# Altium PCB My_SOMA_25042022.PcbDoc (part 1 of 4) (continued)
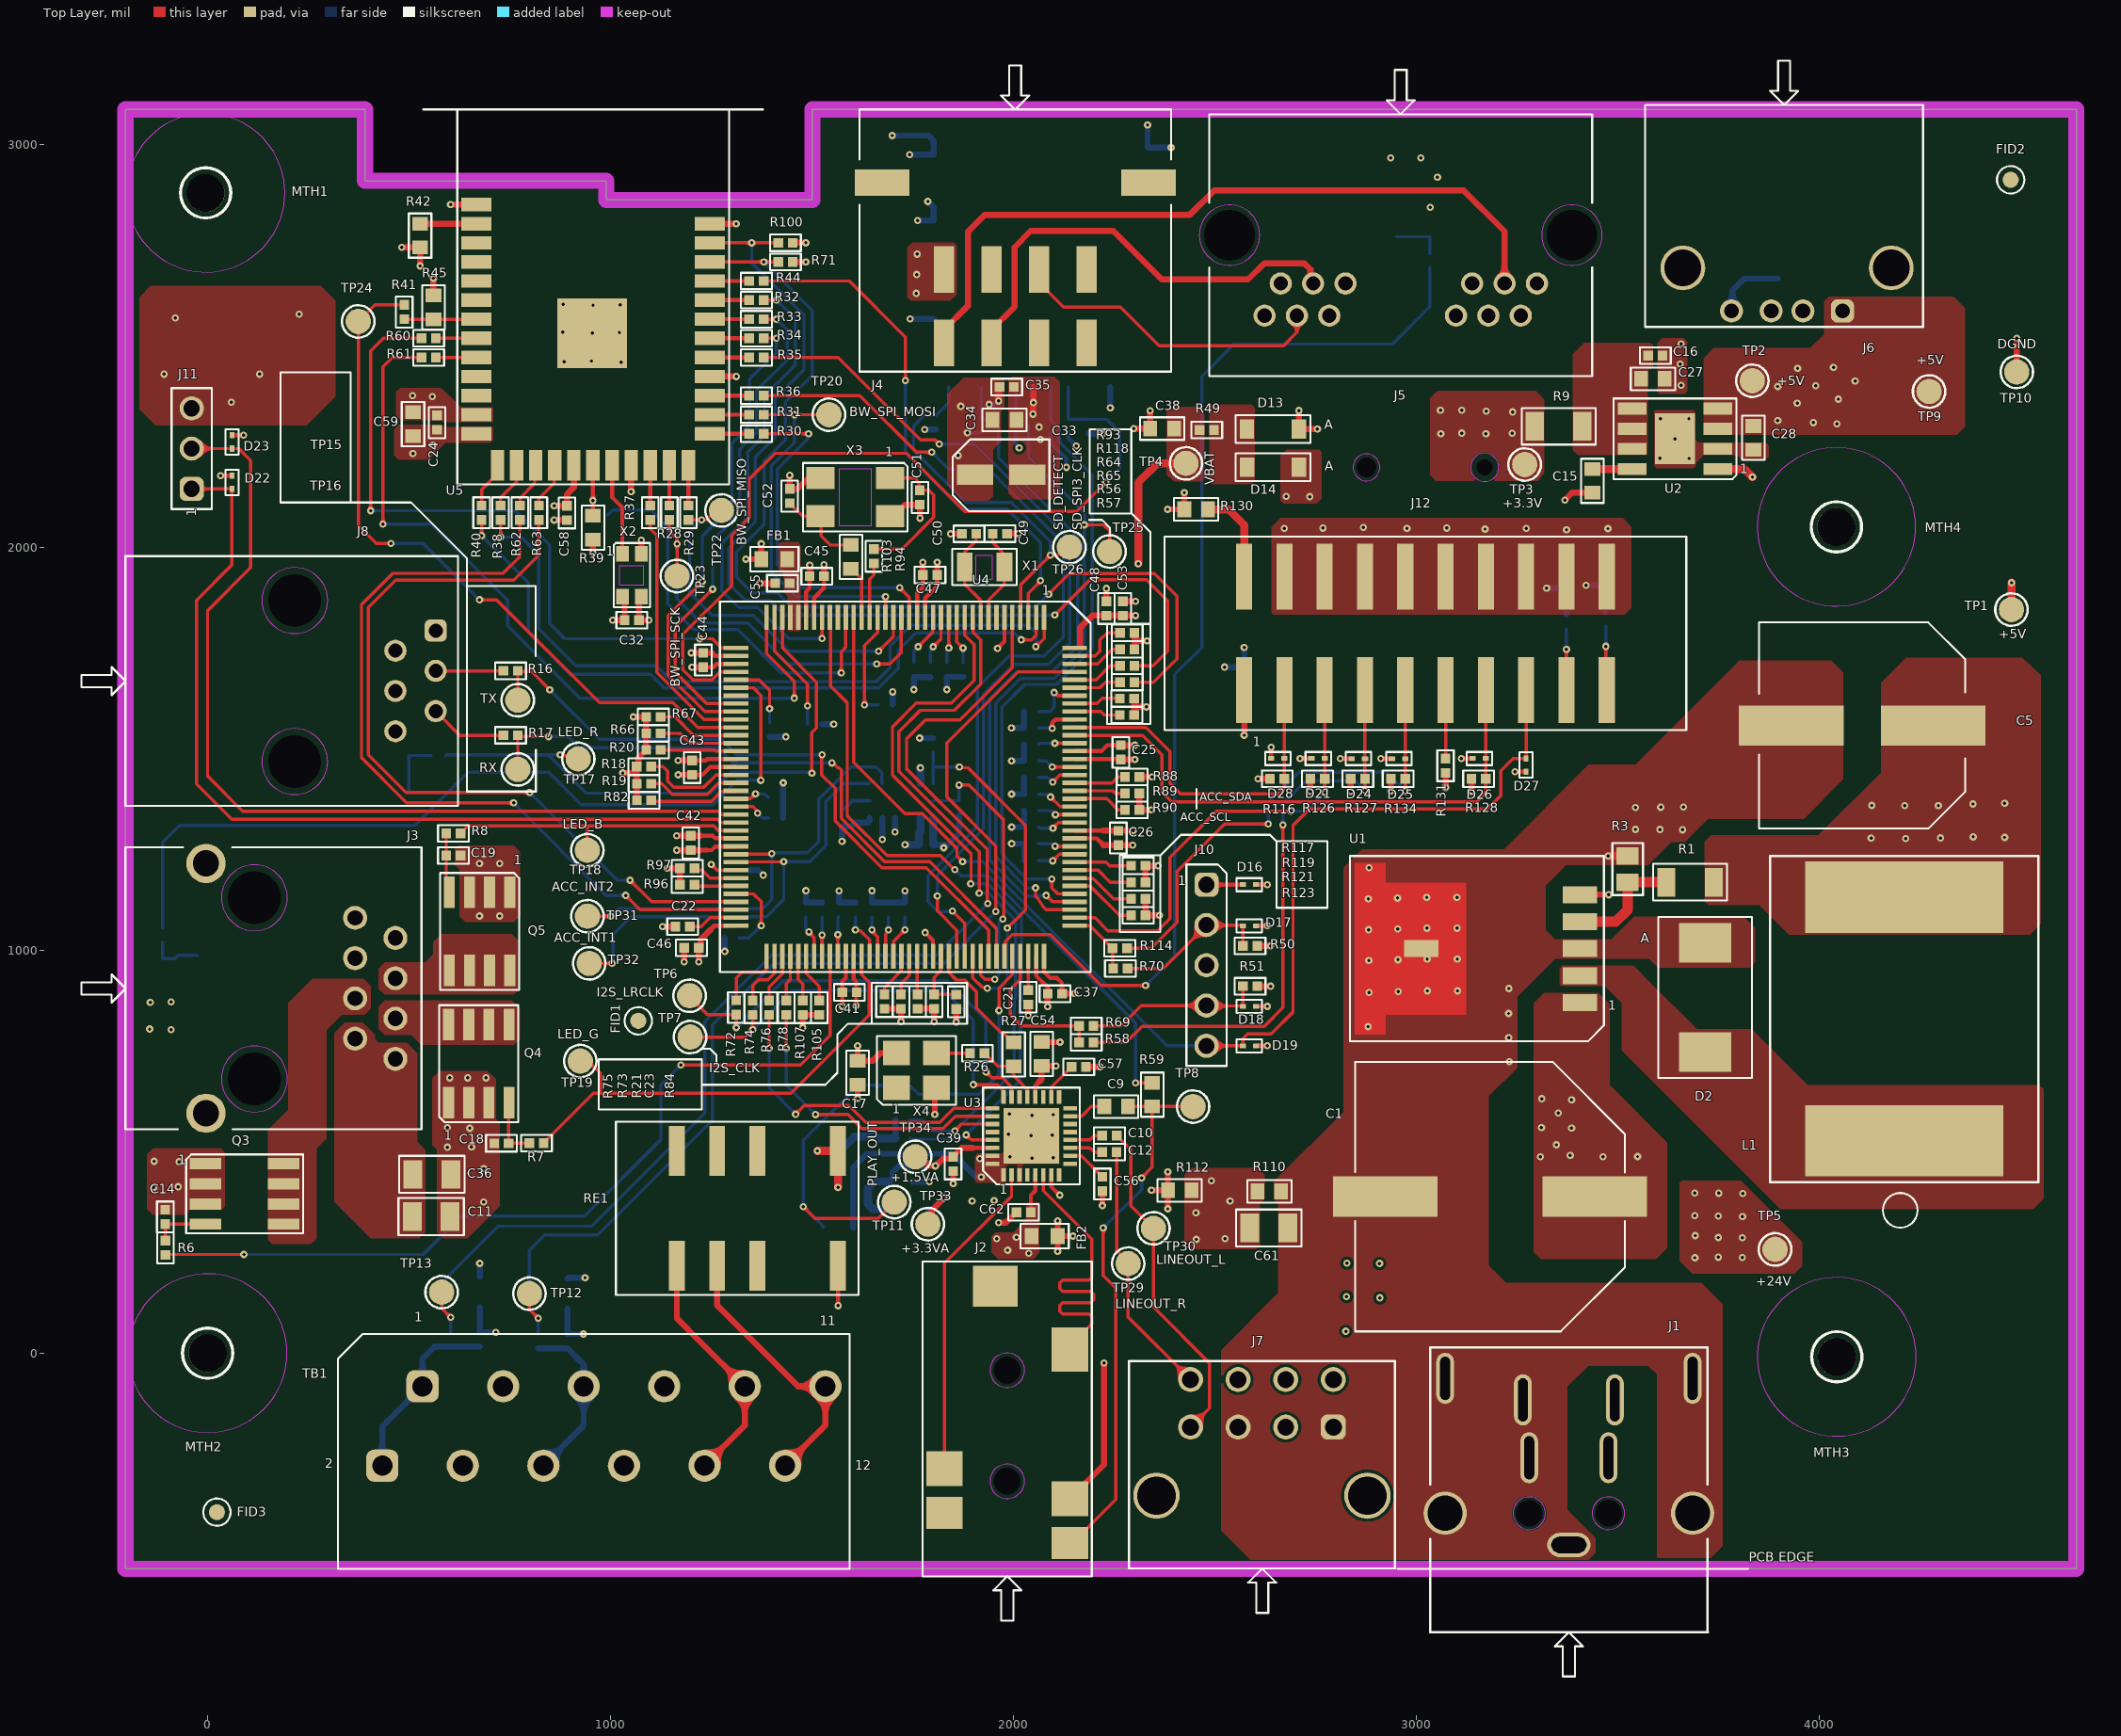
[diagram p0: Top Layer view]
## Classes and differential pairs (continued)

## Components (designator, comment, footprint, x,y, rotation, side; value= is the part's Value field where it differs from the comment)
C1 "CAP ALUM 470UF 20% 63V SMD" CAPAE1700X1650N 3183.17,388.49 r90 top locked value=470uF
C2 "CAP CER 0.022UF 100V X7R 0603" C0603 3359.83,732.93 r180 bottom value=0.022uF
C3 "CAP CER 0.47UF 100V X7R 1206" C1206 3354.8,819.11 r0 bottom value=0.47uF
C4 "CAP CER 0.47UF 100V X7R 1206" C1206 3764.28,1142.52 r0 bottom value=0.47uF
C5 "CAP ALUM 1000UF 20% 25V SMD" CAPAE1300X1350N 4106.94,1557.88 r90 top value=1000uF
C6 "CAP CER 0.022UF 100V X7R 0603" C0603 3760.84,1341.08 r0 bottom value=0.022uF
C7 "CAP CER 0.47UF 100V X7R 1206" C1206 3762.76,1254.88 r180 bottom value=0.47uF
C8 "CAP CER 100PF 50V C0G/NP0 0402" C0402 481.48,1483.5 r0 bottom value=100pF
C9 "0.1uF" C0603 2255.11,612.1 r0 top
C10 "CAP CER 1UF 50V X5R 0402" C0402 2238.53,539.71 r0 top value=1uF
C11 "CAP CER 10UF 50V X5R 1206" C1206 554.88,338.79 r180 top value=10uF
C12 "CAP CER 1UF 50V X5R 0402" C0402 2238.41,498.83 r0 top value=1uF
C13 "CAP CER 100PF 50V C0G/NP0 0402" C0402 -112.24,961.15 r90 bottom value=100pF
C14 "CAP CER 100PF 50V C0G/NP0 0402" C0402 -105.14,338.05 r270 top value=100pF
C15 "CAP CER 0603 10NF 25VDC X8G" C0603 3437.28,2165.14 r90 top value=10nF
C16 "0.1uF" C0402 3593.48,2476.23 r180 top
C17 "0.1uF" C0603 1613.34,696.17 r90 top
C18 "CAP CER 100PF 50V C0G/NP0 0402" C0402 729.41,520.91 r0 top value=100pF
C19 "CAP CER 100PF 50V C0G/NP0 0402" C0402 610,1235 r180 top value=100pF
C20 "CAP CER 1UF 50V X5R 0603" C0603 1719.99,425.74 r180 bottom value=1uF
C21 "2.2uF" C0402 2036.84,883.45 r270 top
C22 "2.2uF" C0402 1179.09,1058.94 r180 top
C23 "2.2uF" C0402 1803.11,872.62 r90 top
C24 "0.1uF" C0402 569.53,2309.57 r270 top
C25 "0.1uF" C0402 2266.69,1491.12 r90 top
C26 "0.1uF" C0402 2260.57,1278.78 r90 top
C27 "CAP CER 10UF 25V X5R 0603" C0603 3587.56,2418.44 r180 top value=10uF
C28 "CAP CER 10UF 25V X5R 0603" C0603 3836.92,2271.82 r90 top value=10uF
C29 "0.1uF" C0402 1920.19,301.19 r90 bottom
C30 "CAP CER 1UF 50V X5R 0603" C0603 1862.33,300.9 r270 bottom value=1uF
C31 "0.1uF" C0402 2025.32,349.68 r180 bottom
C32 "0.1uF" C0402 1052.93,1819.33 r0 top
C33 "10uF" CAPAE430X540N 1969.38,2179.97 r270 top
C34 "0.1uF" C0603 1978.01,2316.54 r0 top
C35 "0.01uF" C0402 1983.45,2398.2 r0 top
C36 "CAP CER 220UF 4V X5R 1206" C1206 556.69,443.65 r180 top value=220µF
C37 "0.1uF" C0402 2103.18,892.06 r0 top
C38 "0.1uF" C0603 2369.17,2294.95 r0 top
C39 "0.1uF" C0402 1850.45,469.65 r90 top
C40 "0.1uF" C0402 1783.59,1262.04 r180 bottom
C41 "0.1uF" C0402 1593.02,895.61 r0 top
C42 "0.1uF" C0402 1199.16,1266.35 r270 top
C43 "0.1uF" C0402 1202.72,1453.42 r270 top
C44 "0.1uF" C0402 1230.39,1720.36 r270 top
C45 "0.1uF" C0402 1512.25,1928.5 r0 top
C46 "0.1uF" C0402 1200.97,1005.9 r0 top
C47 "0.1uF" C0402 1792.97,1931.63 r180 top
C48 "0.1uF" C0402 2230.69,1848.52 r270 top
C49 "22pF" C0402 1966.65,2033.93 r180 top
C50 "22pF" C0402 1889.99,2033.7 r0 top
C51 "27PF" C0402 1767.92,2123.86 r90 top value=27pF
C52 "27PF" C0402 1444.95,2127.39 r270 top value=27pF
C53 "0.1uF" C0402 2271.69,1848.52 r270 top
C54 "0.1uF" C0603 2070.14,742.53 r90 top
C55 "0.1uF" C0402 1426.86,1911.01 r0 top
C56 "0.1uF" C0402 2220.97,419.97 r90 top
C57 "0.1uF" C0402 2162.14,710.28 r180 top
C58 "0.1uF" C0402 891.65,2085.63 r90 top
C59 "CAP CER 1UF 50V X5R 0603" C0603 509.9,2306.13 r270 top value=1uF
C60 "CAP CER 100PF 50V C0G/NP0 0402" C0402 3033.98,2788.81 r270 bottom value=100pF
C61 "CAP CER 2200PF 1.5KV X7R 1206" C1206 2633.92,310.55 r180 top value=2200pF
C62 "0.1uF" C0402 2025.32,349.68 r0 top
D1 "DIODE SCHOTTKY 50V 5A SMC" SOD8060X250N_2A 3520.63,475.73 r270 bottom value="50V/5A SCHOTTKY"
D2 "DIODE SCHOTTKY 50V 5A SMC" SOD8060X250N_2A 3717.05,882.99 r90 top value="50V/5A SCHOTTKY"
D3 "DIODE ARRAY GP 70V 200MA SOT23" SOT95P240X130-3N 845.87,147.81 r180 bottom value="BAV99 RFG"
D4 "DIODE ARRAY GP 70V 200MA SOT23" SOT95P240X130-3N 628.19,151.44 r180 bottom value="BAV99 RFG"
D8 "TVS DIODE 24VWM 38.9VC SMC" SOD8060X260N_BI 3381.31,134.23 r180 bottom value="38.9V Clamp 77.2A"
D9 "TVS DIODE 3.3VWM 11.5VC SOD923" SOD1006X40N_BI 1919.82,2301.35 r270 bottom value="3.3V 11.5V"
D10 "TVS DIODE 3.3VWM 11.5VC SOD923" SOD1006X40N_BI 2006.43,2301.35 r270 bottom value="3.3V 11.5V"
D11 "TVS DIODE 3.3VWM 11.5VC SOD923" SOD1006X40N_BI 2093.05,2301.35 r270 bottom value="3.3V 11.5V"
D12 "TVS DIODE 3.3VWM 11.5VC SOD923" SOD1006X40N_BI 2136.35,2301.35 r270 bottom value="3.3V 11.5V"
D13 "DIODE SCHOTTKY 30V 200MA SOD123" SOD3715X140N_2A 2644.13,2293.64 r0 top value="30 V 200mA (DC)"
D14 "DIODE SCHOTTKY 30V 200MA SOD123" SOD3715X140N_2A 2644.74,2198.74 r0 top value="30 V 200mA (DC)"
D15 "TVS DIODE 24VWM 38.9VC SMC" SOD8060X260N_BI 2603.56,142.39 r180 bottom value="38.9V Clamp 77.2A"
D16 "TVS DIODE 3.3VWM 11.5VC SOD923" SOD1006X40N_BI 2586.15,1162.86 r0 top value="3.3V 11.5V"
D17 "TVS DIODE 3.3VWM 11.5VC SOD923" SOD1006X40N_BI 2586.15,1060.77 r0 top value="3.3V 11.5V"
D18 "TVS DIODE 3.3VWM 11.5VC SOD923" SOD1006X40N_BI 2586.15,860.77 r0 top value="3.3V 11.5V"
D19 "TVS DIODE 3.3VWM 11.5VC SOD923" SOD1006X40N_BI 2586.02,762.86 r0 top value="3.3V 11.5V"
D20 "TVS DIODE 5VWM 12VC SOD723" SOD1460X65N_2A 3918.22,2667.1 r180 bottom value="12V (Typ) Clamp 7A (8/20µs"
D21 "TVS DIODE 3.3V 11.5V SOD923" SOD1006X40N_BI 2756.32,1475.95 r180 top value="3.3V 11.5V"
D22 "TVS DIODE 3.3VWM 11.5VC SOD923" SOD1006X40N_BI 60.47,2161.79 r90 top value="3.3V 11.5V"
D23 "TVS DIODE 3.3VWM 11.5VC SOD923" SOD1006X40N_BI 60.47,2261.79 r90 top value="3.3V 11.5V"
D24 "TVS DIODE 3.3V 11.5V SOD923" SOD1006X40N_BI 2856.31,1475.81 r180 top value="3.3V 11.5V"
D25 "TVS DIODE 3.3V 11.5V SOD923" SOD1006X40N_BI 2956.34,1475.81 r180 top value="3.3V 11.5V"
D26 "TVS DIODE 3.3V 11.5V SOD923" SOD1006X40N_BI 3156.32,1475.95 r180 top value="3.3V 11.5V"
D27 "TVS DIODE 3.3V 11.5V SOD923" SOD1006X40N_BI 3272.85,1459.41 r270 top value="3.3V 11.5V"
D28 "TVS DIODE 3.3V 11.5V SOD923" SOD1006X40N_BI 2656.32,1475.95 r180 top value="3.3V 11.5V"
FB1 "600 Ohms @ 100MHz" FB0603 1406.66,1970.72 r180 top
FB2 "600 Ohms @ 100MHz" FB0603 2077.52,290.52 r0 top
FID1 "M3" FIDUCIAL_40C 1069,825 r90 top
FID2 "M3" FIDUCIAL_40C 4475.51,2912.47 r90 top
FID3 "M3" FIDUCIAL_40C 23.06,-394.69 r90 top
FID4 "M3" FIDUCIAL_40C 23.06,-394.69 r90 bottom
FID5 "M3" FIDUCIAL_40C 4475.51,2912.47 r90 bottom
J1 "CONN JACK FMALE 4POS TIN SOLDER" "KYCON_KPJX-4S -S" 3264.7,-115.8 r0 top locked value=KPJX-4S-S
J2 "CONN JACK 4COND 3.5MM SMD R/A" CUI_SJ-43516-SMT-TR 1984.76,-152.58 r90 top locked value=SJ-43516-SMT-TR
J3 "CONN MOD JACK 8P8C R/A SHIELDED" TE_55551531 163.53,905.56 r270 top locked value=5555153-1
J4 "CONN HEADER SMD R/A 8POS 3MM" MOLEX_0430450811 2004.7,2706.29 r180 top locked value=0430450811
J5 "CONN MOD JACK 6P4C R/A UNSHLD" TE_17344794 3098.76,2575.17 r180 top locked value=1734479-4
J6 "CONN RCPT USB2.0 TYPEA 4POS R/A" TE_292303-1 4058.16,2586.96 r180 top locked value=292303-1
J7 "CONN HEADER R/A 8POS 3MM" MOLEX_430450822 2617,-209.53 r0 top locked value=0430450822
J8 "CONN MOD JACK 6P2C R/A UNSHLD" TE_5520250-1 566.09,1793.62 r270 top locked
J9 "CONN MICRO SD CARD PUSH-PUSH R/A" HIROSE_DM3AT-SF-PEJM5 2179.66,2397.89 r0 bottom locked value=DM3AT-SF-PEJM5
J10 "CONN HEADER VERT 5POS 2.54MM" BERG_1X5 2479.49,1162.86 r270 top value=68000-105HLF
J11 "CONN HEADER VERT 3POS 2.54MM" BERG_1X3 -39.53,2145.26 r90 top value=HTSW-103-07-G-S
J12 "SBH11-NBPC-D10-SM-BK" SULLINS_SBH11-NBPC-D10-SM-BK 3022.85,1786.7 r0 top locked
L1 "FIXED IND 100UH 5.3A 118MOHM SMD" IND_MGV1707101M-10 4211.41,829.47 r90 top value="100uH 20% 5.3A"
MTH1 "M3" MH -5,2880 r0 top
MTH2 "M3" MH 0,0 r90 top
MTH3 "M3" MH 4044,-9 r90 top
MTH4 "M3" MH 4043,2051 r90 top
Q1 "MOSFET N-CH 40V 18A 8SOIC" SOIC127P600X175-8N 425.23,1299.63 r270 bottom value=FDS8638
Q2 "MOSFET N-CH 40V 18A 8SOIC" SOIC127P600X175-8N 72.3,912.46 r0 bottom value=FDS8638
Q3 "MOSFET N-CH 40V 18A 8SOIC" SOIC127P600X175-8N 91.86,395.22 r0 top value=FDS8638
Q4 "MOSFET N-CH 40V 18A 8SOIC" SOIC127P600X175-8N 673.04,718.57 r90 top value=FDS8638
Q5 "MOSFET N-CH 40V 18A 8SOIC" SOIC127P600X175-8N 675,1047 r270 top value=FDS8638
Q6 "MOSFET N-CH 40V 18A 8SOIC" SOIC127P600X175-8N 2853.32,2845.98 r180 bottom value=FDS8638
Q7 "MOSFET N-CH 50V 220MA SOT23-3" SOT95P240X110-3N 1564.73,264.26 r270 bottom value=BSS138
R1 "RES SMD 3.09K OHM 0.1% 1/4W 1206" R1206 3679.81,1168.97 r0 top value=3.09K
R2 "RES SMD 1.02K OHM 1% 1/4W 1206" R1206 3346.89,1137.79 r0 bottom value=1.02K
R3 "RES 1K OHM 0.1% 1/8W 0805" R0805 3524.87,1201.47 r270 top value=1K
R4 "RES SMD 10 OHM 5% 1/16W 0402" R0402 572.59,1482.48 r180 bottom value=10R
R5 "RES SMD 10 OHM 5% 1/16W 0402" R0402 -112.01,1037.81 r270 bottom value=10R
R6 "RES SMD 10 OHM 5% 1/16W 0402" R0402 -104.91,261.39 r90 top value=10R
R7 "RES SMD 10 OHM 5% 1/16W 0402" R0402 816.07,521.14 r180 top value=10R
R8 "RES SMD 10 OHM 5% 1/16W 0402" R0402 610,1290 r180 top value=10R
R9 "RES 0 OHM JUMPER 1/4W 1206" R1206 3353.52,2300.59 r180 top value=0R
R10 "RES SMD 10 OHM 5% 1/16W 0402" R0402 893.13,29.61 r90 bottom value=10R
R11 "RES SMD 10 OHM 5% 1/16W 0402" R0402 675.45,34.11 r90 bottom value=10R
R12 "RES SMD 1K OHM 1% 1/16W 0402" R0402 820.56,29.61 r90 bottom value=1K
R13 "RES SMD 1K OHM 1% 1/16W 0402" R0402 603.31,34.11 r90 bottom value=1K
R14 "RES 2.2K OHM 1% 1/16W 0402" R0402 1725.09,578.84 r180 bottom value=2.2K
R15 "RES 2.2K OHM 1% 1/16W 0402" R0402 1725.69,533.13 r180 bottom value=2.2K
R16 "RES SMD 0 OHM JUMPER 1/16W 0402" R0402 752.03,1693.62 r0 top value=0R
R17 "RES SMD 0 OHM JUMPER 1/16W 0402" R0402 752.02,1533.61 r0 top value=0R
R18 "100K" R0402 1083,1456.33 r0 top
R19 "100K" R0402 1083.41,1413.58 r0 top
R20 "100K" R0402 1106.52,1497.23 r180 top
R21 "100K" R0402 1762.11,872.62 r270 top
R22 "100K" R0402 1682.43,1609.84 r0 bottom
R23 "100K" R0402 1752.74,1696.14 r270 bottom
R24 "100K" R0402 1793.62,1696.25 r270 bottom
R25 "RES 0 OHM JUMPER 1/4W 1206" R1206 3878.36,1404.14 r90 bottom value=0R
R26 "RES SMD 47 OHM 5% 1/10W 0402" R0402 1910.72,744.78 r0 top value=47E
R27 "0E" R0603 2000.78,741.52 r90 top
R28 "RES SMD 0 OHM JUMPER 1/16W 0402" R0402 1146.08,2085.98 r90 top value=0R
R29 "RES SMD 0 OHM JUMPER 1/16W 0402" R0402 1193.48,2085.98 r90 top value=0R
R30 "RES SMD 0 OHM JUMPER 1/16W 0402" R0402 1362.19,2281.96 r180 top value=0R
R31 "RES SMD 0 OHM JUMPER 1/16W 0402" R0402 1362.19,2329.36 r180 top value=0R
R32 "RES SMD 0 OHM JUMPER 1/16W 0402" R0402 1362.19,2613.77 r0 top value=0R
R33 "RES SMD 0 OHM JUMPER 1/16W 0402" R0402 1362.19,2566.37 r0 top value=0R
R34 "RES SMD 0 OHM JUMPER 1/16W 0402" R0402 1362.19,2518.97 r0 top value=0R
R35 "RES SMD 0 OHM JUMPER 1/16W 0402" R0402 1362.19,2471.57 r0 top value=0R
R36 "RES SMD 0 OHM JUMPER 1/16W 0402" R0402 1362.19,2376.77 r0 top value=0R
R37 "RES SMD 0 OHM JUMPER 1/16W 0402" R0402 1098.67,2085.98 r270 top value=0R
R38 "RES SMD 0 OHM JUMPER 1/16W 0402" R0402 727.49,2085.98 r270 top value=0R
R39 "1 MOhm" R0603 956.47,2049.17 r270 top
R40 "RES SMD 0 OHM JUMPER 1/16W 0402" R0402 680.09,2085.98 r270 top value=0R
R41 "RES SMD 0 OHM JUMPER 1/16W 0402" R0402 488.14,2584.2 r270 top value=0R
R42 "1 MOhm" R0603 527.51,2773.9 r90 top
R43 "RES SMD 0 OHM JUMPER 1/16W 0402" R0402 974.3,2079.76 r180 bottom value=0R
R44 "RES SMD 0 OHM JUMPER 1/16W 0402" R0402 1362.19,2661.17 r0 top value=0R
R45 "1 MOhm" R0603 560.6,2595.85 r270 top
R46 "100K" R0402 1834.51,1696.37 r270 bottom
R47 "47K" R0402 2186.35,2300.06 r270 bottom
R48 "100K" R0402 1808.43,2310.24 r270 bottom
R49 "100E" R0402 2480.03,2291.2 r180 top
R50 "10K" R0402 2587.45,1010.77 r0 top
R51 "10K" R0402 2587.45,910.77 r0 top
R52 "10K" R0402 1865.46,1353.52 r270 bottom
R53 "10K" R0402 1800.46,1508.96 r90 bottom
R54 "100K" R0402 1573.99,1326.74 r270 bottom
R55 "100K" R0402 1875.51,1696.37 r270 bottom
R56 "100K" R0402 2281.83,1625 r0 top
R57 "100K" R0402 2281.83,1584 r0 top
R58 "RES SMD 0 OHM JUMPER 1/16W 0402" R0402 2180.87,771.32 r180 top value=0R
R59 "0E" R0603 2344.59,641.58 r90 top
R60 "RES SMD 0 OHM JUMPER 1/16W 0402" R0402 548.74,2518.97 r0 top value=0R
R61 "RES SMD 0 OHM JUMPER 1/16W 0402" R0402 548.74,2471.57 r0 top value=0R
R62 "RES SMD 0 OHM JUMPER 1/16W 0402" R0402 774.89,2085.98 r90 top value=0R
R63 "RES SMD 0 OHM JUMPER 1/16W 0402" R0402 822.3,2085.98 r90 top value=0R
R64 "RES SMD 0 OHM JUMPER 1/16W 0402" R0402 2282.52,1706.08 r0 top value=0R
R65 "RES SMD 0 OHM JUMPER 1/16W 0402" R0402 2282.52,1665.08 r0 top value=0R
R66 "100K" R0402 1106.41,1538.35 r0 top
R67 "100K" R0402 1106.52,1579.23 r0 top
R68 "100K" R0402 2044.53,1552.1 r180 bottom
R69 "RES SMD 0 OHM JUMPER 1/16W 0402" R0402 2180.99,812.32 r180 top value=0R
R70 "RES SMD 0 OHM JUMPER 1/16W 0402" R0402 2265.59,954.8 r180 top value=0R
R71 "10K" R0402 1434.4,2708.58 r0 top
R72 "RES SMD 0 OHM JUMPER 1/16W 0402" R0402 1312.08,857.84 r90 top value=0R
R73 "100K" R0402 1721.11,872.62 r270 top
R74 "RES SMD 0 OHM JUMPER 1/16W 0402" R0402 1352.96,857.73 r90 top value=0R
R75 "100K" R0402 1680.11,872.62 r270 top
R76 "RES SMD 0 OHM JUMPER 1/16W 0402" R0402 1393.85,857.61 r270 top value=0R
R77 "100K" R0402 1730.76,1100.56 r90 bottom
R78 "RES SMD 0 OHM JUMPER 1/16W 0402" R0402 1436.28,857.61 r90 top value=0R
R79 "100K" R0402 1689.76,1100.56 r90 bottom
R80 "100K" R0402 1648.76,1100.56 r90 bottom
R81 "100K" R0402 1410.51,1328.34 r0 bottom
R82 "100K" R0402 1083.19,1372.29 r0 top
R83 "100K" R0402 1409.97,1379.24 r0 bottom
R84 "RES SMD 0 OHM JUMPER 1/16W 0402" R0402 1858,872 r90 top value=0R
R85 "100K" R0402 2044.53,1511.1 r180 bottom
R86 "100K" R0402 2044.65,1470.22 r180 bottom
R87 "100K" R0402 2044.77,1429.33 r180 bottom
R88 "100K" R0402 2294.89,1430.07 r0 top
R89 "100K" R0402 2294.77,1389.19 r0 top
R90 "100K" R0402 2294.65,1348.31 r0 top
R91 "100K" R0402 2044.65,1387.58 r180 bottom
R92 "100K" R0402 2044.53,1593.1 r180 bottom
R93 "100K" R0402 2282.64,1787.97 r0 top
R94 "RES SMD 0 OHM JUMPER 1/16W 0402" R0402 1653.56,1978.22 r270 top value=0R
R95 "100K" R0402 1395,1547.17 r270 bottom
R96 "100K" R0402 1190.44,1162.6 r180 top
R97 "100K" R0402 1190.44,1203.6 r180 top
R98 "100K" R0402 1301.54,1030.26 r180 bottom
R99 "100K" R0402 1607.76,1100.56 r90 bottom
R100 "10K" R0402 1434.4,2755.98 r0 top
R101 "100K" R0402 1566.76,1100.56 r90 bottom
R102 "100K" R0402 1525.76,1100.56 r90 bottom
R103 "RES SMD 390 OHM 0.1% 1/5W 0603" R0603 1596.69,1976.35 r270 top value="390E ±0.1%"
R104 "100K" R0402 1484.76,1100.56 r90 bottom
R105 "100K" R0402 1518.28,857.49 r270 top
R106 "100K" R0402 1507.45,1561.25 r0 bottom
R107 "100K" R0402 1477.28,857.49 r270 top
R108 "RES SMD 10 OHM 5% 1/16W 0402" R0402 3033.75,2712.15 r90 bottom value=10R
R109 "100K" R0402 2044.77,1346.69 r180 bottom
R110 "0E" R0603 2635.41,401.42 r180 top
R111 "100K" R0402 2044.88,1305.81 r180 bottom
R112 "0E" R0603 2412.95,404.17 r180 top
R113 "100K" R0402 2044.88,1264.81 r180 bottom
R114 "RES SMD 0 OHM JUMPER 1/16W 0402" R0402 2264.21,1005.04 r180 top value=0R
R115 "100K" R0402 2044.88,1223.81 r180 bottom
R116 "10K" R0402 2655.03,1425.95 r180 top
R117 "100K" R0402 2309.97,1209.88 r0 top
R118 "100K" R0402 2282.52,1747.08 r180 top
R119 "100K" R0402 2309.97,1168.88 r0 top
R121 "100K" R0402 2309.97,1127.88 r0 top
R123 "100K" R0402 2309.97,1086.88 r0 top
R124 "100K" R0402 1329.07,1198.98 r180 bottom
R126 "10K" R0402 2755.03,1425.95 r180 top
R127 "10K" R0402 2855.02,1425.81 r180 top
R128 "10K" R0402 3155.03,1425.95 r180 top
R129 "0E" R0603 2572.85,1673.49 r90 bottom
R130 "0E" R0603 2453.73,2094.55 r180 top
R131 "10K" R0402 3072.85,1458.12 r90 top
R132 "10K" R0402 3372.97,1815.41 r270 bottom
R133 "10K" R0402 3470.83,1822.66 r270 bottom
R134 "10K" R0402 2955.04,1425.81 r0 top
RE1 "RELAY GEN PURPOSE DPDT 1A 3VDC" RELAY_TXS2SA-3V 1314.73,359.53 r180 top
TB1 "TERM BLK 6P SIDE ENT 5.08MM PCB" TE_1986775-6 433.47,-279.19 r0 top locked
TP1 "Test Point,1.6mm Diameter,SMD" TP_63C 4477.59,1845.7 r90 top
TP2 "Test Point,1.6mm Diameter,SMD" TP_63C 3834.08,2413.72 r270 top
TP3 "Test Point,1.6mm Diameter,SMD" TP_63C 3269.32,2205.74 r90 top
TP4 "Test Point,1.6mm Diameter,SMD" TP_63C 2428.33,2208.63 r90 top
TP5 "Test Point,1.6mm Diameter,SMD" TP_63C 3890.81,257.56 r0 top
TP6 "Test Point,1.6mm Diameter,SMD" TP_63C 1196.43,887.11 r0 top
TP7 "Test Point,1.6mm Diameter,SMD" TP_63C 1197.82,784.55 r0 top
TP8 "Test Point,1.6mm Diameter,SMD" TP_63C 2445.95,612.08 r0 top
TP9 "Test Point,1.6mm Diameter,SMD" TP_63C 4273.07,2387.05 r0 top
TP10 "Test Point,1.6mm Diameter,SMD" TP_63C 4490.64,2435.54 r90 top
TP11 "Test Point,1.6mm Diameter,SMD" TP_63C 1704.33,374.96 r90 top
TP12 "Test Point,1.6mm Diameter,SMD" TP_63C 798.63,147.81 r90 top
TP13 "Test Point,1.6mm Diameter,SMD" TP_63C 580.95,151.44 r90 top
TP15 "Test Point,1.6mm Diameter,SMD" TP_63C 769.86,1620.73 r90 top
TP16 "Test Point,1.6mm Diameter,SMD" TP_63C 769.85,1449.03 r90 top
TP17 "Test Point,1.6mm Diameter,SMD" TP_63C 920,1475 r90 top
TP18 "Test Point,1.6mm Diameter,SMD" TP_63C 942.47,1248.39 r90 top
TP19 "Test Point,1.6mm Diameter,SMD" TP_63C 925,725 r90 top
TP20 "Test Point,1.6mm Diameter,SMD" TP_63C 1542.34,2329.41 r90 top
TP22 "Test Point,1.6mm Diameter,SMD" TP_63C 1275.25,2091.73 r90 top
TP23 "Test Point,1.6mm Diameter,SMD" TP_63C 1165.11,1928.96 r90 top
TP24 "Test Point,1.6mm Diameter,SMD" TP_63C 373.93,2560.88 r90 top
TP25 "Test Point,1.6mm Diameter,SMD" TP_63C 2238.76,1989.83 r90 top
TP26 "Test Point,1.6mm Diameter,SMD" TP_63C 2139.37,2000.66 r90 top
TP29 "Test Point,1.6mm Diameter,SMD" TP_63C 2284.81,222.35 r270 top
TP30 "Test Point,1.6mm Diameter,SMD" TP_63C 2347.71,309.82 r270 top
TP31 "Test Point,1.6mm Diameter,SMD" TP_63C 942.89,1084.57 r180 top
TP32 "Test Point,1.6mm Diameter,SMD" TP_63C 947.07,967.56 r180 top
TP33 "Test Point,1.6mm Diameter,SMD" TP_63C 1787.95,320.19 r90 top
TP34 "Test Point,1.6mm Diameter,SMD" TP_63C 1756.43,487.48 r90 top
U1 "IC REG BUCK ADJ 3A TO263-5" TO-263-6_LM2576S 3405.95,1003.93 r0 top locked value=LM2576S-ADJ/NOPB
U2 "IC REG LINEAR 3.3V 1A 8SOIC" SOIC127P600X170-9N 3642.32,2269.62 r90 top locked value=ADP1706ARDZ-3.3-R7
U3 "IC AUDIO CODEC STEREO 32-QFN" QFN50P500X500X100-33N 2044.69,539.01 r90 top locked value=SGTL5000XNAA3R2
U4 "STM32F429ZGT6" QFP50P2200X2200X160-144N 1731.72,1405.67 r270 top
U5 "RX TXRX MODULE WIFI CHIP SMD" MICROCHIP_ATWINC3400-MR210xA 954.66,2531.69 r90 top locked value=ATWINC3400-MR210CA122
U6 "ACCEL 2-16G I2C/SPI 14LGA" LGA14R80P8X6_500X300X100N 1721.72,1371.35 r90 bottom value=ADXL343BCCZ-RL7
U7 "TPS72215DBVT" SOT95P280X145-5N 1738.54,320.19 r180 bottom
X1 "32.7680KHZ" XTAL320X150X90-2N 1928.57,1951.15 r0 top value="32.768 kHz"
X2 "OSC XO 32.768KHZ SMD" XTAL320X150X70-4N 1052.91,1931.12 r270 top value="1.2V ~ 5.5V,  0.5µA"
X3 "8MHz" XTAL600X360X120-4N 1607.61,2124.64 r180 top
X4 "XTAL OSC XO 12.2880MHZ HCMOS TTL" XTAL500X320X130-4N 1759.48,701.71 r0 top value=12.288MHz
XBT1 "BATTERY HOLDER COIN 12MM SMD" HLDR_S8411-45R 3031.95,2198.74 r90 bottom locked

## Footprints (in the part's own frame and the unit in brackets; to place one, negate y for a bottom-side part, rotate by r counter-clockwise, add the part's x,y. Pads: shape width x height; smd on the part's side, far side on the other; paste and mask are expansions set on the pad)
BERG_1X3 [mil] "3 PIN CONNECTOR"
  rrect50% 60x60 hole 40 mask+2: 1(0,0)
  round 60 hole 40 mask+2: 2(100,0) 3(200,0)
  silkscreen extent -50,-50 250,50, body extent -45,-46 245,47, height 426
BERG_1X5 [mil] "5 PIN CONNECTOR"
  rrect50% 60x60 hole 40 mask+2: 1(0,0)
  round 60 hole 40 mask+2: 2(100,0) 3(200,0) 4(300,0) 5(400,0)
  silkscreen extent -50,-50 450,50, body extent -45,-47 445,46, height 426
C0402 [mil]
  rect 24x24 smd mask+2: 1(-17.83,0) 2(17.83,0)
  silkscreen extent -38,-20 38,20, body extent -20,-10 20,10, height 20
C0603 [mil]
  rect 34x39 smd mask+2: 1(-29.48,0) 2(29.48,0)
  silkscreen extent -55,-28 55,28, body extent -32,-16 31,16, height 12
C1206 [mil]
  rect 47x71 smd mask+2: 1(-47.09,0) 2(47.09,0)
  silkscreen extent -81,-46 81,46, body extent -63,-31 63,31, height 39
CAPAE430X540N [mil] "EEE-1VA100WR,CAP ALUM 10UF 20% 35V SMD"
  rect 50x90 smd mask+1.97: 1(0,-64.96) 2(0,64.96)
  silkscreen extent -88,-120 90,120, body extent -85,-98 85,98, height 229
CAPAE1300X1350N [mil] "EMVA250ARA102MKE0S,CAP ALUM 1000UF 20% 25V SMD"
  rect 100x260 smd mask+1.97: +(0,-176.18) -(0,176.18)
  silkscreen extent -256,-256 256,256, body extent -256,-256 256,256, height 531
CAPAE1700X1650N [mil] "EEV-TG1J471M,CAP ALUM 470UF 20% 63V SMD"
  rect 100x260 smd mask+1.97: +(0,-259.84) -(0,259.84)
  silkscreen extent -335,-335 335,335, body extent -335,-354 335,354, height 669
CUI_SJ-43516-SMT-TR [mm] "CONN JACK 4COND 3.5MM SMD R/A,SJ-43516-SMT-TR"
  rect 2x2.3 smd mask+0.051: 1(-8.1,-3.95) 6(-6.2,3.95)
  rect 2.8x2.3 smd mask+0.051: 2(4.1,-3.95)
  rect 2.2x2.3 smd mask+0.051: 3(-3.4,3.95) 4(-5.3,-3.95)
  rect 2.6x2.8 smd mask+0.051: 5(8.1,0.75)
  round 0 hole 1.7 unplated mask+0.051: ""(-4.2,0) ""(2.8,0)
  Keep-Out Layer circle w0.051: c2.8,0 r1.089
  Keep-Out Layer circle w0.051: c-4.2,0 r1.089
  silkscreen extent -12.98,-5.33 9.65,5.33, body extent -10.4,-4.5 8.8,4.5, height 5.1
FB0603 [mil]
  rect 34x39 smd mask+4: 1(-32.5,0) 2(32.5,0)
  silkscreen extent -60,-30 60,30, body extent -31,-18 32,18, height 20
FIDUCIAL_40C [mil] "GLOBAL FIDUCIAL"
  round 40 smd paste-78.74 mask+10: 0(0,0)
  Top Layer keep-out circle w2: c0,0 r34
  silkscreen extent -34,-34 34,34
HIROSE_DM3AT-SF-PEJM5 [mm] "HIROSE_DM3AT-SF-PEJM5"
  rect 0.7x1.2 smd mask+0.051: 1(0,0) 2(-1.1,0) 3(-2.2,0) 4(-3.3,0) 5(-4.4,0) 6(-5.5,0) 7(-6.6,0) 8(-7.7,0) 9(-8.65,0)
  rect 1x1.2 smd mask+0.051: 10(-9.6,-4.3) 14(1.55,0)
  rect 1x0.8 smd mask+0.051: 11(-9.6,-10.5)
  rect 1x2.8 smd mask+0.051: 12(-9.6,-14.65)
  rect 1.3x1.9 smd mask+0.051: 13(3.901,-15.1)
  Top Layer keep-out region: -8.2,-6.6 0.5,-6.6 0.5,-5 -8.2,-5
  Top Layer keep-out region: -10.001,-0.45 -10.001,-3.58 -9.25,-3.58 -9.25,-0.45
  Top Layer keep-out region: -10.001,-5.031 -10.001,-8.5 -9.25,-8.5 -9.25,-5.031
  Top Layer keep-out region: -8.9,-6.3 -8.9,-13.9 -8.2,-13.9 -8.2,-6.3
  Top Layer keep-out region: 0.152,-16.049 2.699,-16.049 2.699,-14.699 0.152,-14.699
  silkscreen extent -9.72,-18.79 4.12,0.1, body extent -9.72,-16.05 4.13,0.1, height 1.68
HLDR_S8411-45R [mm] "S8411-45R,BATTERY HOLDER COIN 12MM SMD"
  rect 2.3x4.5 smd paste-1000 mask+0.051: 1(0,-8.2) 2(0,8.2)
  round 0 hole 1.25 unplated mask+0.051: ""(0,-3.95)
  round 0 hole 1.016 unplated mask+0.051: ""(0,3.5)
  Keep-Out Layer circle w0.051: c0,3.5 r0.886
  Keep-Out Layer circle w0.051: c0,-3.95 r0.846
  silkscreen extent -7.62,-9.6 7.62,9.6, body extent -7.37,-9.6 7.37,9.6, height 4.22
IND_MGV1707101M-10 [mm] "MGV1707101M-10,FIXED IND 100UH 5.3A 118MOHM SMD"
  rect 4.5x12.5 smd paste-1000 mask+0.051: 1(-7.675,0) 2(7.675,0)
  silkscreen extent -13.15,-8.45 10.29,8.45, body extent -8.8,-8.45 8.8,8.45, height 7
"KYCON_KPJX-4S -S" [mil] "KPJX-4S -S,CONN JACK FMALE 4POS TIN SOLDER"
  oval 44x127 hole 107 slot 24 at 0 deg mask+2: 1(0,0) 2(228.35,0) 3(15.75,-143.7) 4(212.6,-143.7) 8(421.26,53.15) 9(-192.91,53.15)
  oval 107x60 hole 40 slot 87 at 0 deg mask+2: 5(114.17,-360.24)
  round 107 hole 87 mask+2: 6(421.26,-281.5) 7(-192.91,-281.5)
  round 0 hole 67 unplated mask+2: ""(15.75,-281.5) ""(212.6,-281.5)
  Keep-Out Layer circle w2: c15.75,-281.5 r40.45
  Keep-Out Layer circle w2: c212.6,-281.5 r40.45
  silkscreen extent -311,-687 559,130, body extent -201,-577 429,108, height 591
LGA14R80P8X6_500X300X100N [mm] "ADXL343BCCZ-RL7,ACCEL 2-16G I2C/SPI 14LGA"
  rect 1x0.6 smd mask+0.051: 1(-1.086,2) 2(-1.086,1.2) 3(-1.086,0.4) 4(-1.086,-0.4) 5(-1.086,-1.2) 6(-1.086,-2) 8(1.086,-2) 9(1.086,-1.2) 10(1.086,-0.4) 11(1.086,0.4) 12(1.086,1.2) 13(1.086,2)
  rect 0.6x1 smd mask+0.051: 7(0,-2) 14(0,2)
  silkscreen extent -1.78,-2.79 1.78,2.79, body extent -1.62,-2.5 1.63,2.5, height 1.02
MH [mm]
  round 2.4 hole 2.4 unplated: 1(0,0)
  silkscreen extent -1.59,-1.58 1.59,1.58
MICROCHIP_ATWINC3400-MR210xA [mm] "ATWINC3400-MR210xA"
  rect 0.85x1.905 smd mask+0.051: 1(8.105,7.318) 2(6.901,7.318) 3(5.697,7.318) 4(4.493,7.318) 5(3.289,7.318) 6(2.085,7.318) 7(0.881,7.318) 8(-0.323,7.318) 9(-1.527,7.318) 10(-2.731,7.318) 11(-3.935,7.318) 12(-5.139,7.318) 13(-6.343,7.318) 25(-6.343,-7.414) 26(-5.139,-7.414) 27(-3.935,-7.414) 28(-2.731,-7.414) 29(-1.527,-7.414) 30(-0.323,-7.414) 31(0.881,-7.414) 32(2.085,-7.414) 33(3.289,-7.414) 34(4.493,-7.414) 35(5.697,-7.414) 36(6.901,-7.414)
  rect 1.905x0.85 smd mask+0.051: 14(-8.328,5.974) 15(-8.328,4.77) 16(-8.328,3.566) 17(-8.328,2.362) 18(-8.328,1.158) 19(-8.328,-0.046) 20(-8.328,-1.25) 21(-8.328,-2.454) 22(-8.328,-3.658) 23(-8.328,-4.862) 24(-8.328,-6.066)
  rect 4.4x4.4 smd mask+0.051: 37(0,0)
  silkscreen extent -9.53,-10.75 14.1,10.67, body extent -8.32,-7.41 14.1,7.32, height 2.19
MOLEX_0430450811 [mm] "0430450811,CONN HEADER SMD R/A 8POS 3MM"
  rect 1.27x2.921 smd mask+0.051: 1(4.5,0.42) 2(1.5,0.42) 3(-1.5,0.42) 4(-4.5,0.42) 5(4.5,5.05) 6(1.5,5.05) 7(-1.5,5.05) 8(-4.5,5.05)
  rect 3.43x1.65 smd mask+0.051: 9(-8.395,-5.05) 10(8.395,-5.05)
  silkscreen extent -9.83,-12.45 9.82,6.86, body extent -9.83,-9.67 9.82,5.73, height 8.83
MOLEX_430450822 [mil] "0430450822,CONN HEADER R/A 8POS 3MM"
  rrect50% 62x62 hole 42 mask+2: 1(177.17,25.98)
  round 62 hole 42 mask+2: 2(59.06,25.98) 3(-59.06,25.98) 4(-177.17,25.98) 5(177.17,144.09) 6(59.06,144.09) 7(-59.06,144.09) 8(-177.17,144.09)
  round 115 hole 95 mask+2: 9(-261.81,-144.09) 10(261.81,-144.09)
  silkscreen extent -330,-435 330,190, body extent -319,-325 319,157, height 348
QFN50P500X500X100-33N [mm] "SGTL5000XNAA3R2,IC AUDIO CODEC STEREO 32-QFN"
  rect 0.85x0.28 smd mask+0.051: 1(-2.45,1.75) 2(-2.45,1.25) 3(-2.45,0.75) 4(-2.45,0.25) 5(-2.45,-0.25) 6(-2.45,-0.75) 7(-2.45,-1.25) 8(-2.45,-1.75) 17(2.45,-1.75) 18(2.45,-1.25) 19(2.45,-0.75) 20(2.45,-0.25) 21(2.45,0.25) 22(2.45,0.75) 23(2.45,1.25) 24(2.45,1.75)
  rect 0.28x0.85 smd mask+0.051: 9(-1.75,-2.45) 10(-1.25,-2.45) 11(-0.75,-2.45) 12(-0.25,-2.45) 13(0.25,-2.45) 14(0.75,-2.45) 15(1.25,-2.45) 16(1.75,-2.45) 25(1.75,2.45) 26(1.25,2.45) 27(0.75,2.45) 28(0.25,2.45) 29(-0.25,2.45) 30(-0.75,2.45) 31(-1.25,2.45) 32(-1.75,2.45)
  rect 3.5x3.5 smd paste-4 mask+0.051: 33(0,0)
  silkscreen extent -3.05,-3.05 3.05,3.05, body extent -2.55,-2.55 2.55,2.55, height 1
QFP50P2200X2200X160-144N [mm]
  rect 1.56x0.279 smd mask+0.051: 1(-10.68,8.75) 2(-10.68,8.25) 3(-10.68,7.75) 4(-10.68,7.25) 5(-10.68,6.75) 6(-10.68,6.25) 7(-10.68,5.75) 8(-10.68,5.25) 9(-10.68,4.75) 10(-10.68,4.25) 11(-10.68,3.75) 12(-10.68,3.25) 13(-10.68,2.75) 14(-10.68,2.25) 15(-10.68,1.75) 16(-10.68,1.25) 17(-10.68,0.75) 18(-10.68,0.25) 19(-10.68,-0.25) 20(-10.68,-0.75) 21(-10.68,-1.25) 22(-10.68,-1.75) 23(-10.68,-2.25) 24(-10.68,-2.75) 25(-10.68,-3.25) 26(-10.68,-3.75) 27(-10.68,-4.25) 28(-10.68,-4.75) 29(-10.68,-5.25) 30(-10.68,-5.75) 31(-10.68,-6.25) 32(-10.68,-6.75) 33(-10.68,-7.25) 34(-10.68,-7.75) 35(-10.68,-8.25) 36(-10.68,-8.75) 73(10.68,-8.75) 74(10.68,-8.25) 75(10.68,-7.75) 76(10.68,-7.25) 77(10.68,-6.75) 78(10.68,-6.25) 79(10.68,-5.75) 80(10.68,-5.25) 81(10.68,-4.75) 82(10.68,-4.25) 83(10.68,-3.75) 84(10.68,-3.25) 85(10.68,-2.75) 86(10.68,-2.25) 87(10.68,-1.75) 88(10.68,-1.25) 89(10.68,-0.75) 90(10.68,-0.25) 91(10.68,0.25) 92(10.68,0.75) 93(10.68,1.25) 94(10.68,1.75) 95(10.68,2.25) 96(10.68,2.75) 97(10.68,3.25) 98(10.68,3.75) 99(10.68,4.25) 100(10.68,4.75) 101(10.68,5.25) 102(10.68,5.75) 103(10.68,6.25) 104(10.68,6.75) 105(10.68,7.25) 106(10.68,7.75) 107(10.68,8.25) 108(10.68,8.75)
  rect 0.279x1.56 smd mask+0.051: 37(-8.75,-10.68) 38(-8.25,-10.68) 39(-7.75,-10.68) 40(-7.25,-10.68) 41(-6.75,-10.68) 42(-6.25,-10.68) 43(-5.75,-10.68) 44(-5.25,-10.68) 45(-4.75,-10.68) 46(-4.25,-10.68) 47(-3.75,-10.68) 48(-3.25,-10.68) 49(-2.75,-10.68) 50(-2.25,-10.68) 51(-1.75,-10.68) 52(-1.25,-10.68) 53(-0.75,-10.68) 54(-0.25,-10.68) 55(0.25,-10.68) 56(0.75,-10.68) 57(1.25,-10.68) 58(1.75,-10.68) 59(2.25,-10.68) 60(2.75,-10.68) 61(3.25,-10.68) 62(3.75,-10.68) 63(4.25,-10.68) 64(4.75,-10.68) 65(5.25,-10.68) 66(5.75,-10.68) 67(6.25,-10.68) 68(6.75,-10.68) 69(7.25,-10.68) 70(7.75,-10.68) 71(8.25,-10.68) 72(8.75,-10.68) 109(8.75,10.68) 110(8.25,10.68) 111(7.75,10.68) 112(7.25,10.68) 113(6.75,10.68) 114(6.25,10.68) 115(5.75,10.68) 116(5.25,10.68) 117(4.75,10.68) 118(4.25,10.68) 119(3.75,10.68) 120(3.25,10.68) 121(2.75,10.68) 122(2.25,10.68) 123(1.75,10.68) 124(1.25,10.68) 125(0.75,10.68) 126(0.25,10.68) 127(-0.25,10.68) 128(-0.75,10.68) 129(-1.25,10.68) 130(-1.75,10.68) 131(-2.25,10.68) 132(-2.75,10.68) 133(-3.25,10.68) 134(-3.75,10.68) 135(-4.25,10.68) 136(-4.75,10.68) 137(-5.25,10.68) 138(-5.75,10.68) 139(-6.25,10.68) 140(-6.75,10.68) 141(-7.25,10.68) 142(-7.75,10.68) 143(-8.25,10.68) 144(-8.75,10.68)
  silkscreen extent -11.68,-11.68 11.68,11.68, body extent -11,-11 11,11, height 1.53
R0402 [mil]
  rect 24x24 smd mask+2: 1(-17.83,0) 2(17.83,0)
  silkscreen extent -38,-20 38,21, body extent -20,-10 20,10, height 20
R0603 [mil]
  rect 34x39 smd mask+2: 1(-29.48,0) 2(29.48,0)
  silkscreen extent -55,-28 55,28, body extent -32,-16 31,16, height 12
R0805 [mil] "Chip Resistor"
  rect 43x55 smd mask+2: 1(-32.5,0) 2(32.5,0)
  silkscreen extent -64,-38 64,38, body extent -45,-27 45,27, height 30
R1206 [mm]
  rect 1.15x1.8 smd mask+0.076: 1(-1.5,0) 2(1.5,0)
  silkscreen extent -2.33,-1.15 2.33,1.15, body extent -1.6,-0.8 1.6,0.8, height 1
RELAY_TXS2SA-3V [mm]
  rect 1x3.16 smd paste+0 mask+0.051: 1(-6.35,-3.62) 3(-1.27,-3.62) 4(1.27,-3.62) 5(3.81,-3.62) 8(3.81,3.62) 9(1.27,3.62) 10(-1.27,3.62) 12(-6.35,3.62)
  silkscreen extent -7.65,-5.46 7.65,5.46, body extent -7.5,-4.7 7.5,4.7, height 8.7
SOD1006X40N_BI [mm] "ESD9B3.3ST5G,ESD9B3.3ST5G"
  rect 0.4x0.3 smd mask+0.051: 1(-0.42,0) 2(0.42,0)
  silkscreen extent -0.82,-0.41 0.79,0.41, body extent -0.52,-0.32 0.53,0.32, height 0.43
SOD1460X65N_2A [mil] "TVS DIODE 5VWM 12VC SOD723,SP1003-01DTG"
  rect 20x20 smd mask+2: 1(-21.65,0) 2(21.65,0)
  silkscreen extent -40,-20 40,20, body extent -20,-12 20,12, height 26
SOD3715X140N_2A [mil] "BAT43W-7-F,DIODE SCHOTTKY 30V 200MA SOD123"
  rect 36x48 smd mask+2: 1(-64.37,0) 2(64.37,0)
  silkscreen extent -93,-34 93,34, body extent -73,-32 73,31, height 50
SOD8060X250N_2A [mm] "B550C-13-F,DIODE SCHOTTKY 50V 5A SMC"
  rect 2.5x3.3 smd mask+0.051: 1(-3.45,0) 2(3.45,0)
  silkscreen extent -5.08,-2.95 5.08,2.95, body extent -3.97,-2.95 3.98,2.95, height 2.3
SOD8060X260N_BI [mm] "SMLJ24CA-Q,TVS DIODE 24VWM 38.9VC SMC"
  rect 2.5x3.3 smd mask+0.051: 1(-3.45,0) 2(3.45,0)
  silkscreen extent -5.08,-2.95 5.08,2.95, body extent -3.97,-2.95 3.98,2.95, height 2.3
SOIC127P600X170-9N [mm] "LMR16030SDDAR"
  rect 0.762x1.8 smd mask+0.051: 1(-1.905,-2.7) 2(-0.635,-2.7) 3(0.635,-2.7) 4(1.905,-2.7) 5(1.905,2.7) 6(0.635,2.7) 7(-0.635,2.7) 8(-1.905,2.7)
  rect 3.2x2.5 smd mask+0.051: 9(0,0)
  silkscreen extent -2.54,-3.87 2.54,3.87, body extent -2.45,-2.99 2.45,2.99, height 1.7
SOIC127P600X175-8N [mil]
  rect 78x27.56 smd mask+2: 1(-97,75) 2(-97,25) 3(-97,-25) 4(-97,-75) 5(97,-75) 6(97,-25) 7(97,25) 8(97,75)
  silkscreen extent -145,-98 145,98, body extent -118,-97 118,95, height 69
SOT95P240X110-3N [mm] "BSS138"
  rect 1x0.8 smd mask+0.051: 1(-1.2,0.95) 2(-1.2,-0.95) 3(1.2,0)
  silkscreen extent -1.91,-1.65 1.91,1.65, body extent -1.2,-1.46 1.2,1.46, height 1.2